# Altium PCB Sampler.PCBDOC (part 1 of 5) (continued)
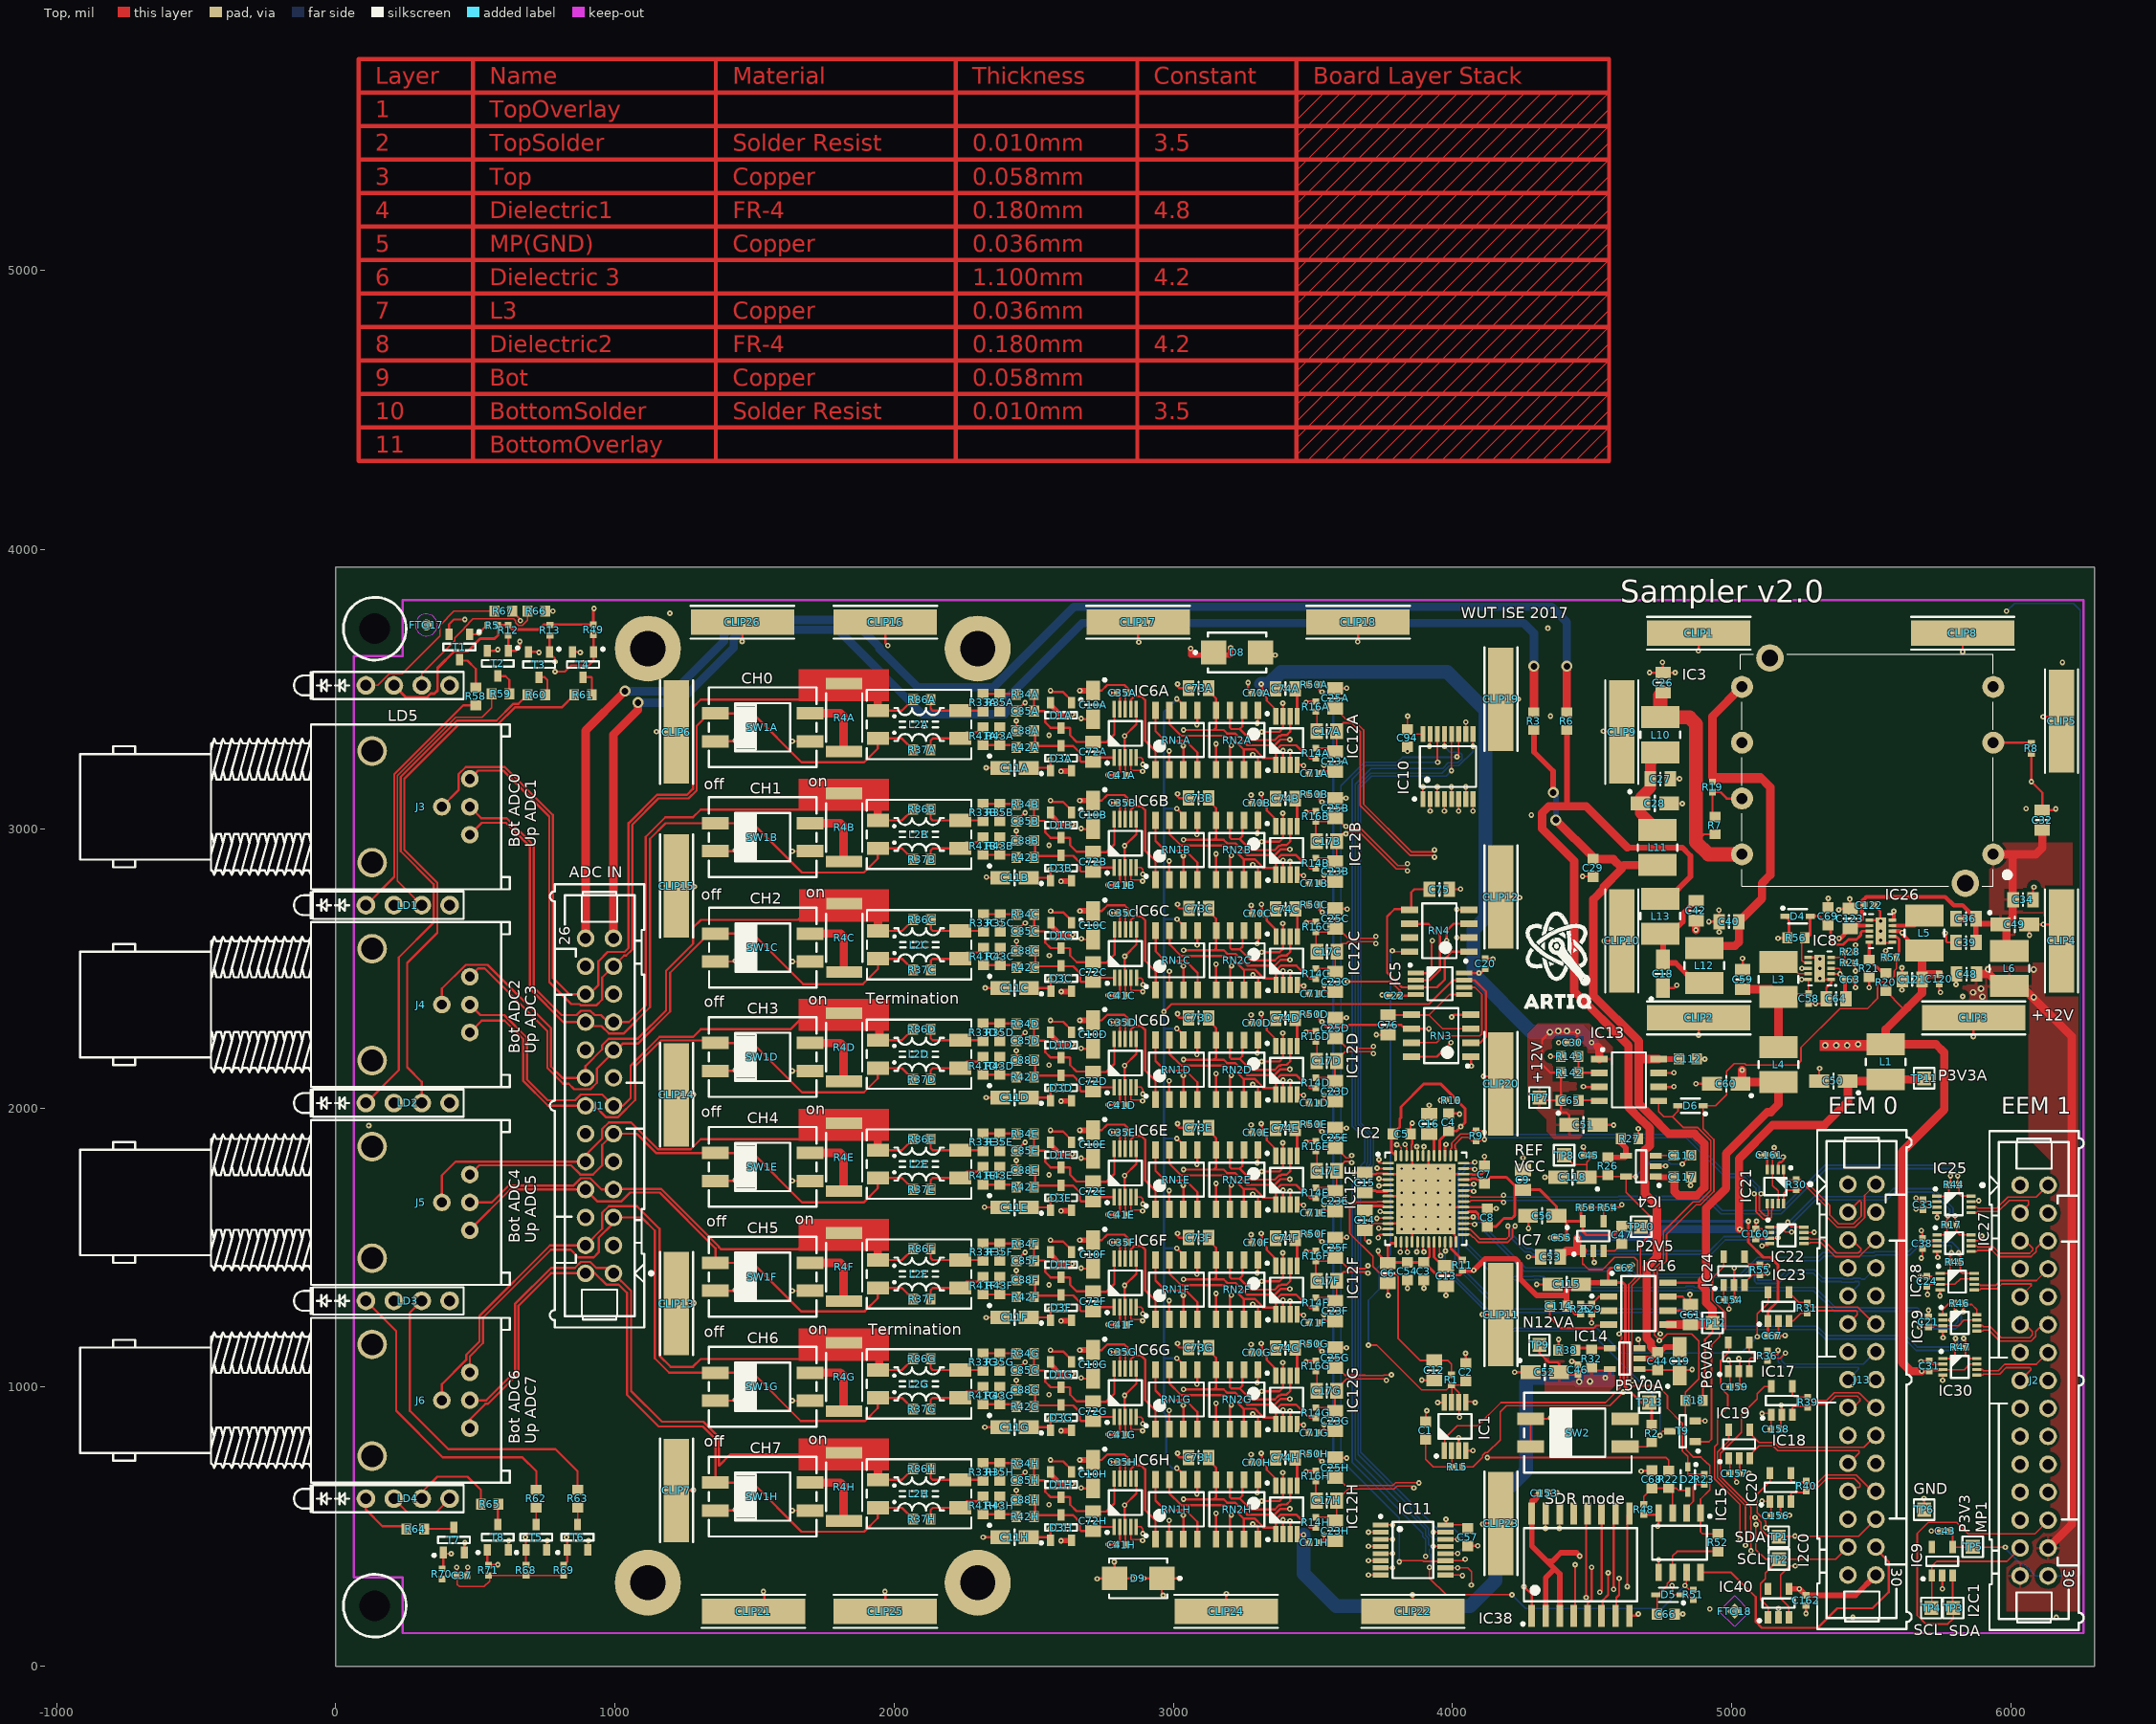
[diagram p0: Top view]
## Components (designator, comment, footprint, x,y, rotation, side; value= is the part's Value field where it differs from the comment) (continued)
C73D "47nF" CAPC2012X135N 3090.55,2322.83 r0 top (schematic designator C73)
C73E "47nF" CAPC2012X135N 3090.55,1929.13 r0 top (schematic designator C73)
C73F "47nF" CAPC2012X135N 3090.55,1535.43 r0 top (schematic designator C73)
C73G "47nF" CAPC2012X135N 3090.55,1141.73 r0 top (schematic designator C73)
C73H "47nF" CAPC2012X135N 3090.55,748.03 r0 top (schematic designator C73)
C74A "47nF" CAPC2012X135N 3401.57,3501.97 r0 top (schematic designator C74)
C74B "47nF" CAPC2012X135N 3401.57,3108.27 r0 top (schematic designator C74)
C74C "47nF" CAPC2012X135N 3402.07,2712.84 r0 top (schematic designator C74)
C74D "47nF" CAPC2012X135N 3401.57,2320.87 r0 top (schematic designator C74)
C74E "47nF" CAPC2012X135N 3401.57,1927.17 r0 top (schematic designator C74)
C74F "47nF" CAPC2012X135N 3401.57,1533.46 r0 top (schematic designator C74)
C74G "47nF" CAPC2012X135N 3401.57,1139.76 r0 top (schematic designator C74)
C74H "47nF" CAPC2012X135N 3401.57,746.06 r0 top (schematic designator C74)
C75 "47nF" CAPC2012X135N 3952.76,2783.46 r180 top
C76 "47nF" CAPC2012X135N 3769.69,2297.24 r90 top
C85A "18pF" CAPC1608X87N 2469.21,3421.97 r0 top (schematic designator C85)
C85B "18pF" CAPC1608X87N 2469.21,3028.27 r0 top (schematic designator C85)
C85C "18pF" CAPC1608X87N 2469.71,2632.84 r0 top (schematic designator C85)
C85D "18pF" CAPC1608X87N 2469.21,2240.87 r0 top (schematic designator C85)
C85E "18pF" CAPC1608X87N 2469.21,1847.17 r0 top (schematic designator C85)
C85F "18pF" CAPC1608X87N 2469.21,1453.46 r0 top (schematic designator C85)
C85G "18pF" CAPC1608X87N 2469.21,1059.76 r0 top (schematic designator C85)
C85H "18pF" CAPC1608X87N 2469.21,666.06 r0 top (schematic designator C85)
C88A "18pF" CAPC1608X87N 2469.21,3351.97 r0 top (schematic designator C88)
C88B "18pF" CAPC1608X87N 2469.21,2958.27 r0 top (schematic designator C88)
C88C "18pF" CAPC1608X87N 2469.71,2562.84 r0 top (schematic designator C88)
C88D "18pF" CAPC1608X87N 2469.21,2170.87 r0 top (schematic designator C88)
C88E "18pF" CAPC1608X87N 2469.21,1777.17 r0 top (schematic designator C88)
C88F "18pF" CAPC1608X87N 2469.21,1383.46 r0 top (schematic designator C88)
C88G "18pF" CAPC1608X87N 2469.21,989.76 r0 top (schematic designator C88)
C88H "18pF" CAPC1608X87N 2469.21,596.06 r0 top (schematic designator C88)
C94 "100nF" CAPC1608X87N 3839.08,3325.05 r90 top
C112 "1uF" CAPC1608X87N 4842.52,2175.2 r180 top
C114 "10nF" CAPC1608X87N 4379.92,1289.37 r0 top
C115 "10uF" CAPMP3216X180N 4409.45,1368.11 r180 top
C116 "10nF" CAPC1608X87N 4822.83,1830.71 r0 top
C117 "1uF" CAPC1608X87N 4822.83,1751.97 r180 top
C118 "10uF" CAPMP3216X180N 4429.13,1751.97 r180 top
C120 "100nF" CAPC1005X55N 5742.94,2461.57 r90 top
C121 "22uF" CAPC2012X135N 5645.94,2460.57 r0 top
C122 "100nF" CAPC1005X55N 5492.13,2726.38 r180 top
C123 "22uF" CAPC2012X135N 5423.94,2678.57 r270 top
C153 "100nF" CAPC1005X55N 4327.76,620.08 r180 top
C154 "100nF" CAPC1005X55N 4992,1313 r180 top
C156 "100nF" CAPC1005X55N 5158,539 r180 top
C157 "100nF" CAPC1005X55N 5011,691 r180 top
C158 "100nF" CAPC1005X55N 5158,849 r180 top
C159 "100nF" CAPC1005X55N 5011,1001 r180 top
C160 "100nF" CAPC1005X55N 5086,1549 r270 top
C161 "100nF" CAPC1005X55N 5136,1831 r0 top
C162 "100nF" CAPC1005X55N 5265.75,236.22 r90 top
CLIP1 "S1411-46R" CLIP_HOLLAND-SHIELDING_LC 4881.89,3700.79 r180 top
CLIP2 "S1411-46R" CLIP_HOLLAND-SHIELDING_LC 4881.89,2322.83 r180 top
CLIP3 "S1411-46R" CLIP_HOLLAND-SHIELDING_LC 5866.14,2322.83 r180 top
CLIP4 "S1411-46R" CLIP_HOLLAND-SHIELDING_LC 6181.1,2598.43 r90 top
CLIP5 "S1411-46R" CLIP_HOLLAND-SHIELDING_LC 6181.1,3385.83 r90 top
CLIP6 "S1411-46R" CLIP_HOLLAND-SHIELDING_LC 1220.47,3346.46 r90 top
CLIP7 "S1411-46R" CLIP_HOLLAND-SHIELDING_LC 1220.47,629.92 r90 top
CLIP8 "S1411-46R" CLIP_HOLLAND-SHIELDING_LC 5826.77,3700.79 r180 top
CLIP9 "S1411-46R" CLIP_HOLLAND-SHIELDING_LC 4606.3,3346.46 r90 top
CLIP10 "S1411-46R" CLIP_HOLLAND-SHIELDING_LC 4606.3,2598.43 r90 top
CLIP11 "S1411-46R" CLIP_HOLLAND-SHIELDING_LC 4173.23,1259.84 r90 top
CLIP12 "S1411-46R" CLIP_HOLLAND-SHIELDING_LC 4173.23,2755.91 r90 top
CLIP13 "S1411-46R" CLIP_HOLLAND-SHIELDING_LC 1220.47,1299.21 r90 top
CLIP14 "S1411-46R" CLIP_HOLLAND-SHIELDING_LC 1220.47,2047.24 r90 top
CLIP15 "S1411-46R" CLIP_HOLLAND-SHIELDING_LC 1220.47,2795.28 r90 top
CLIP16 "S1411-46R" CLIP_HOLLAND-SHIELDING_LC 1968.5,3740.16 r180 top
CLIP17 "S1411-46R" CLIP_HOLLAND-SHIELDING_LC 2874.02,3740.16 r180 top
CLIP18 "S1411-46R" CLIP_HOLLAND-SHIELDING_LC 3661.42,3740.16 r180 top
CLIP19 "S1411-46R" CLIP_HOLLAND-SHIELDING_LC 4173.23,3464.57 r90 top
CLIP20 "S1411-46R" CLIP_HOLLAND-SHIELDING_LC 4173.23,2086.61 r90 top
CLIP21 "S1411-46R" CLIP_HOLLAND-SHIELDING_LC 1496.06,196.85 r180 top
CLIP22 "S1411-46R" CLIP_HOLLAND-SHIELDING_LC 3858.27,196.85 r180 top
CLIP23 "S1411-46R" CLIP_HOLLAND-SHIELDING_LC 4173.23,511.81 r90 top
CLIP24 "S1411-46R" CLIP_HOLLAND-SHIELDING_LC 3188.98,196.85 r180 top
CLIP25 "S1411-46R" CLIP_HOLLAND-SHIELDING_LC 1968.5,196.85 r180 top
CLIP26 "S1411-46R" CLIP_HOLLAND-SHIELDING_LC 1456.69,3740.16 r180 top
D1A "BAV199" SOT95P240X110-3N 2598,3407 r270 top (schematic designator D1)
D1B "BAV199" SOT95P240X110-3N 2598,3013.3 r270 top (schematic designator D1)
D1C "BAV199" SOT95P240X110-3N 2598.49,2617.87 r270 top (schematic designator D1)
D1D "BAV199" SOT95P240X110-3N 2598,2225.9 r270 top (schematic designator D1)
D1E "BAV199" SOT95P240X110-3N 2598,1832.2 r270 top (schematic designator D1)
D1F "BAV199" SOT95P240X110-3N 2598,1438.5 r270 top (schematic designator D1)
D1G "BAV199" SOT95P240X110-3N 2598,1044.8 r270 top (schematic designator D1)
D1H "BAV199" SOT95P240X110-3N 2598,651.1 r270 top (schematic designator D1)
D2 "1N4148WS" SODFL2512X100N 4842.52,669.29 r270 top
D3A "BAV199" SOT95P240X110-3N 2598,3253 r90 top (schematic designator D3)
D3B "BAV199" SOT95P240X110-3N 2598,2859.3 r90 top (schematic designator D3)
D3C "BAV199" SOT95P240X110-3N 2598.49,2463.87 r90 top (schematic designator D3)
D3D "BAV199" SOT95P240X110-3N 2598,2071.9 r90 top (schematic designator D3)
D3E "BAV199" SOT95P240X110-3N 2598,1678.19 r90 top (schematic designator D3)
D3F "BAV199" SOT95P240X110-3N 2598,1284.5 r90 top (schematic designator D3)
D3G "BAV199" SOT95P240X110-3N 2598,890.79 r90 top (schematic designator D3)
D3H "BAV199" SOT95P240X110-3N 2598,497.09 r90 top (schematic designator D3)
D4 "1N4148WS" SODFL2512X100N 5236.22,2687.01 r0 top
D5 "1N4148WS" SODFL2512X100N 4773.62,255.91 r180 top
D6 "1N4148WS" SODFL2512X100N 4852.36,2007.87 r180 top
D8 "SMBJ12A" DIOM5336X265N 3228.35,3631.89 r0 top
D9 "SMBJ12A" DIOM5336X265N 2874.02,314.96 r180 top
FTG17 "Use only in PCB" FIDUCIAL_TOP_C100-200 324.8,3730.32 r90 top
FTG18 "Use only in PCB" FIDUCIAL_TOP_S100-200 5009.84,196.85 r90 top
FTG19 "Use only in PCB" FIDUCIAL_TOP_S200-400 374.02,3690.94 r180 bottom
FTG20 "Use only in PCB" FIDUCIAL_TOP_S100-200 5777.56,580.71 r90 bottom
IC1 "LTC6655BHMS8-5#PBF" SOP65P490X110-8N 4008.86,859.25 r90 top
IC2 "LTC2320HUKG-16#PBF" QFN50P700X800X80_HS-53M 3904.33,1674.62 r0 top
IC3 "CC6-1212DF-E" CC6-1212DF-E 5836.61,2805.12 r180 top
IC4 "LT1761ES5-BYP#TRMPBF" SOT95P280X100-5N 4675.2,1791.34 r180 top
IC5 "OPA2197IDGKR" SOP65P490X110-8N 3954.72,2444.88 r0 top
IC6A "AD8253ARMZ" SOP50P490X110-10N 2828,3342 r90 top (schematic designator IC6)
IC6B "AD8253ARMZ" SOP50P490X110-10N 2828,2948.3 r90 top (schematic designator IC6)
IC6C "AD8253ARMZ" SOP50P490X110-10N 2828.49,2552.87 r90 top (schematic designator IC6)
IC6D "AD8253ARMZ" SOP50P490X110-10N 2828,2160.9 r90 top (schematic designator IC6)
IC6E "AD8253ARMZ" SOP50P490X110-10N 2828,1767.2 r90 top (schematic designator IC6)
IC6F "AD8253ARMZ" SOP50P490X110-10N 2828,1373.5 r90 top (schematic designator IC6)
IC6G "AD8253ARMZ" SOP50P490X110-10N 2828,979.8 r90 top (schematic designator IC6)
IC6H "AD8253ARMZ" SOP50P490X110-10N 2828,586.1 r90 top (schematic designator IC6)
IC7 "LT1761ES5-BYP#TRMPBF" SOT95P280X100-5N 4503.96,1541.31 r90 top
IC8 "TPS62175DQC" SON50P200X300X80-11N-R94X250 5314.96,2500 r180 top
IC9 "24AA02E48T-I/OT" SOT95P280X145-5N 5753.94,375.98 r90 top
IC10 "SN74LV595APWT" SOP65P640X120-16N 3983.64,3223.12 r90 top
IC11 "SN74LV595APWT" SOP65P640X120-16N 3858.46,416.6 r0 top
IC12A "OPA2197IDGKR" SOP65P490X110-8N 3405.51,3316.09 r90 top (schematic designator IC12)
IC12B "OPA2197IDGKR" SOP65P490X110-8N 3405.51,2922.39 r90 top (schematic designator IC12)
IC12C "OPA2197IDGKR" SOP65P490X110-8N 3406.01,2526.96 r90 top (schematic designator IC12)
IC12D "OPA2197IDGKR" SOP65P490X110-8N 3405.51,2134.98 r90 top (schematic designator IC12)
IC12E "OPA2197IDGKR" SOP65P490X110-8N 3405.51,1741.28 r90 top (schematic designator IC12)
IC12F "OPA2197IDGKR" SOP65P490X110-8N 3405.51,1347.58 r90 top (schematic designator IC12)
IC12G "OPA2197IDGKR" SOP65P490X110-8N 3405.51,953.88 r90 top (schematic designator IC12)
IC12H "OPA2197IDGKR" SOP65P490X110-8N 3405.51,560.18 r90 top (schematic designator IC12)
IC13 "LT1763CS8#PBF" SOIC127P600X175-8N 4631.85,2100.37 r0 top
IC14 "LT1964ES5-SD#TRMPBF" SOT95P280X100-5N 4616.14,1102.36 r180 top
IC15 "LM393AD" SOIC127P600X175-8N 4812.99,442.91 r270 top
IC16 "LT1763CS8#PBF" SOIC127P600X175-8N 4665.35,1299.21 r0 top
IC17 "SN65LVDS2DBVR" SOT95P280X145-5N 5025.43,1108.71 r90 top
IC18 "SN65LVDS2DBVR" SOT95P280X145-5N 5179.43,951.75 r90 top
IC19 "SN65LVDS1DBVT" SOT95P280X145-5N 5026.43,795.78 r90 top
IC20 "SN65LVDS2DBVR" SOT95P280X145-5N 5174.43,641.35 r90 top
IC21 "FIN1101K8X" SOP50P310X90-8N 5156.25,1718.67 r270 top
IC22 "FIN1101K8X" SOP50P310X90-8N 5196.72,1543.79 r0 top
IC23 "SN65LVDS2DBVR" SOT95P280X145-5N 5167.43,1288.46 r90 top
IC24 "SN65LVDS2DBVR" SOT95P280X145-5N 5008.43,1416.38 r90 top
IC25 "FIN1101K8X" SOP50P310X90-8N 5795.89,1654.68 r0 top
IC26 "TPS62175DQC" SON50P200X300X80-11N-R94X250 5533.53,2633.65 r0 top
IC27 "FIN1101K8X" SOP50P310X90-8N 5796.06,1515.75 r0 top
IC28 "FIN1101K8X" SOP50P310X90-8N 5807.09,1377.95 r0 top
IC29 "FIN1101K8X" SOP50P310X90-8N 5816.93,1230.31 r0 top
IC30 "FIN1101K8X" SOP50P310X90-8N 5816.93,1072.83 r0 top
IC38 "PCF8574ADW" SOIC127P1030X265-16N 4458.66,364.17 r90 top
IC40 "24AA02E48T-I/OT" SOT95P280X145-5N 5167.32,226.38 r90 top
J1 "Header 26" 3M_N2526-6002RB 944.88,2007.87 r90 top
J2 "Familly" 3M_N2530-6002RB 6082.68,1023.62 r270 top locked
J3 "BNC" RENHOTEC_RHT-610-0049 236.22,3078.98 r180 top
J4 "BNC" RENHOTEC_RHT-610-0049 236.22,2370.32 r180 top
J5 "BNC" RENHOTEC_RHT-610-0049 236.22,1661.66 r180 top
J6 "BNC" RENHOTEC_RHT-610-0049 236.22,953 r180 top
J13 "Familly" 3M_N2530-6002RB 5466,1027 r270 top
L1 "10uH" IND_MURATA-PS_8400 5551.18,2165.35 r270 top
L2A "2x6.5mH" IND_WURTH_WE-SL2 2089.21,3373.77 r0 top (schematic designator L2)
L2B "2x6.5mH" IND_WURTH_WE-SL2 2089.21,2980.07 r0 top (schematic designator L2)
L2C "2x6.5mH" IND_WURTH_WE-SL2 2089.71,2584.65 r0 top (schematic designator L2)
L2D "2x6.5mH" IND_WURTH_WE-SL2 2089.21,2192.67 r0 top (schematic designator L2)
L2E "2x6.5mH" IND_WURTH_WE-SL2 2089.21,1798.97 r0 top (schematic designator L2)
L2F "2x6.5mH" IND_WURTH_WE-SL2 2089.21,1405.27 r0 top (schematic designator L2)
L2G "2x6.5mH" IND_WURTH_WE-SL2 2089.21,1011.57 r0 top (schematic designator L2)
L2H "2x6.5mH" IND_WURTH_WE-SL2 2089.21,617.87 r0 top (schematic designator L2)
L3 "10uH" IND_MURATA-PS_8400 5167.32,2460.63 r270 top
L4 "10uH" IND_MURATA-PS_8400 5167.32,2155.51 r270 top
L5 "10uH" IND_MURATA-PS_8400 5689.94,2626.57 r270 top
L6 "10uH" IND_MURATA-PS_8400 5994.09,2500 r90 top
L10 "10uH" IND_MURATA-PS_8400 4744.09,3336.61 r270 top
L11 "10uH" IND_MURATA-PS_8400 4734.25,2933.07 r270 top
L12 "10uH" IND_MURATA-PS_8400 4901.57,2509.84 r270 top
L13 "10uH" IND_MURATA-PS_8400 4744.09,2687.01 r90 top
LD1 "Green/Green" LED_DIALIGHT_571-0122F 108.27,2726.38 r0 top
LD2 "Green/Green" LED_DIALIGHT_571-0122F 108.27,2017.72 r0 top
LD3 "Green/Green" LED_DIALIGHT_571-0122F 108.27,1309.06 r0 top
LD4 "Green/Green" LED_DIALIGHT_571-0122F 108.27,600.39 r0 top
LD5 "Green/Green" LED_DIALIGHT_571-0122F 108.27,3513.78 r0 top
R1 "0" RESC1005X40N 3996.24,1025.91 r90 top
R2 "1k" RESC1608X55N 4713.2,834.01 r270 top
R3 "Undefined" RESC1608X55N 4291.34,3385.83 r270 top
R4A "49R9" RESC6331X70N 1820.87,3398.62 r90 top (schematic designator R4)
R4B "49R9" RESC6331X70N 1820.87,3004.92 r90 top (schematic designator R4)
R4C "49R9" RESC6331X70N 1821.36,2609.5 r90 top (schematic designator R4)
R4D "49R9" RESC6331X70N 1820.87,2217.52 r90 top (schematic designator R4)
R4E "49R9" RESC6331X70N 1820.87,1823.82 r90 top (schematic designator R4)
R4F "49R9" RESC6331X70N 1820.87,1430.12 r90 top (schematic designator R4)
R4G "49R9" RESC6331X70N 1820.87,1036.42 r90 top (schematic designator R4)
R4H "49R9" RESC6331X70N 1820.87,642.72 r90 top (schematic designator R4)
R5 "10k" RESC1005X40N 562.01,3729.33 r180 top
R6 "Undefined" RESC1608X55N 4409.45,3385.83 r270 top
R7 "Undefined" RESC1608X55N 4940.94,3011.81 r270 top
R8 "0" RESC1005X40N 6072.83,3287.4 r90 top
R9 "100" RESC1005X40N 4084.65,1899.61 r270 top
R10 "0" RESC1005X40N 3996.06,2027.56 r0 top
R11 "0" RESC1005X40N 4035.43,1437.01 r270 top
R12 "10k" RESC1005X40N 618.11,3711.61 r270 top
R13 "10k" RESC1005X40N 767.72,3711.61 r270 top
R14A "51" RESC1005X40N 3510.2,3270.72 r90 top (schematic designator R14)
R14B "51" RESC1005X40N 3510.2,2877.02 r90 top (schematic designator R14)
R14C "51" RESC1005X40N 3510.7,2481.59 r90 top (schematic designator R14)
R14D "51" RESC1005X40N 3510.2,2089.61 r90 top (schematic designator R14)
R14E "51" RESC1005X40N 3510.2,1695.91 r90 top (schematic designator R14)
R14F "51" RESC1005X40N 3510.2,1302.21 r90 top (schematic designator R14)
R14G "51" RESC1005X40N 3510.2,908.51 r90 top (schematic designator R14)
R14H "51" RESC1005X40N 3510.2,514.81 r90 top (schematic designator R14)
R15 "0" RESC1005X40N 4017.24,713.91 r180 top
R16A "51" RESC1005X40N 3510.2,3438.04 r270 top (schematic designator R16)
R16B "51" RESC1005X40N 3510.2,3044.34 r270 top (schematic designator R16)
R16C "51" RESC1005X40N 3510.7,2648.91 r270 top (schematic designator R16)
R16D "51" RESC1005X40N 3510.2,2256.94 r270 top (schematic designator R16)
R16E "51" RESC1005X40N 3510.2,1863.24 r270 top (schematic designator R16)
R16F "51" RESC1005X40N 3510.2,1469.54 r270 top (schematic designator R16)
R16G "51" RESC1005X40N 3510.2,1075.83 r270 top (schematic designator R16)
R16H "51" RESC1005X40N 3510.2,682.13 r270 top (schematic designator R16)
R17 "100" RESC1005X40N 5786.69,1582.23 r0 top
R18 "2k7" RESC1608X55N 4865.16,952.76 r0 top
R19 "36" RESC1005X40N 4931.1,3149.61 r270 top
R20 "270k" RESC1608X55N 5551.18,2450.79 r270 top
R21 "82k" RESC1608X55N 5492.13,2500 r90 top
R22 "24k" RESC1608X55N 4773.62,669.29 r270 top
R23 "2k4" RESC1005X40N 4901.57,669.29 r90 top
R24 "33k" RESC1005X40N 5423.23,2519.69 r0 top
R25 "62k" RESC1005X40N 4458.66,1279.53 r270 top
R26 "24k" RESC1608X55N 4557.09,1791.34 r270 top
R27 "2k7" RESC1608X55N 4633.86,1889.76 r180 top
R28 "5k1" RESC1005X40N 5423.23,2559.06 r180 top
R29 "120k" RESC1005X40N 4498.03,1279.53 r90 top
R30 "100" RESC1005X40N 5231.07,1724.55 r270 top
R31 "100" RESC1005X40N 5269.78,1282.58 r270 top
R32 "24k" RESC1608X55N 4498.03,1102.36 r270 top
R33A "0" RESC1608X55N 2319.21,3451.97 r90 top (schematic designator R33)
R33B "0" RESC1608X55N 2319.21,3058.27 r90 top (schematic designator R33)
R33C "0" RESC1608X55N 2319.71,2662.84 r90 top (schematic designator R33)
R33D "0" RESC1608X55N 2319.21,2270.87 r90 top (schematic designator R33)
R33E "0" RESC1608X55N 2319.21,1877.17 r90 top (schematic designator R33)
R33F "0" RESC1608X55N 2319.21,1483.46 r90 top (schematic designator R33)
R33G "0" RESC1608X55N 2319.21,1089.76 r90 top (schematic designator R33)
R33H "0" RESC1608X55N 2319.21,696.06 r90 top (schematic designator R33)
R34A "1k8" RESC1608X55N 2469.21,3481.97 r0 top (schematic designator R34)
R34B "1k8" RESC1608X55N 2469.21,3088.27 r0 top (schematic designator R34)
R34C "1k8" RESC1608X55N 2469.71,2692.84 r0 top (schematic designator R34)
R34D "1k8" RESC1608X55N 2469.21,2300.87 r0 top (schematic designator R34)
R34E "1k8" RESC1608X55N 2469.21,1907.17 r0 top (schematic designator R34)
R34F "1k8" RESC1608X55N 2469.21,1513.46 r0 top (schematic designator R34)
R34G "1k8" RESC1608X55N 2469.21,1119.76 r0 top (schematic designator R34)
R34H "1k8" RESC1608X55N 2469.21,726.06 r0 top (schematic designator R34)
R35A "100k" RESC1608X55N 2379.21,3451.97 r90 top (schematic designator R35)
R35B "100k" RESC1608X55N 2379.21,3058.27 r90 top (schematic designator R35)
R35C "100k" RESC1608X55N 2379.71,2662.84 r90 top (schematic designator R35)
R35D "100k" RESC1608X55N 2379.21,2270.87 r90 top (schematic designator R35)
R35E "100k" RESC1608X55N 2379.21,1877.16 r90 top (schematic designator R35)
R35F "100k" RESC1608X55N 2379.21,1483.46 r90 top (schematic designator R35)
R35G "100k" RESC1608X55N 2379.21,1089.76 r90 top (schematic designator R35)
R35H "100k" RESC1608X55N 2379.21,696.06 r90 top (schematic designator R35)
R36 "100" RESC1005X40N 5127.78,1112.68 r270 top
R37A "Undefined" RESC1608X55N 2099.21,3283.77 r0 top (schematic designator R37)
R37B "Undefined" RESC1608X55N 2099.21,2890.07 r0 top (schematic designator R37)
R37C "Undefined" RESC1608X55N 2099.71,2494.65 r0 top (schematic designator R37)
R37D "Undefined" RESC1608X55N 2099.21,2102.67 r0 top (schematic designator R37)
R37E "Undefined" RESC1608X55N 2099.21,1708.97 r0 top (schematic designator R37)
R37F "Undefined" RESC1608X55N 2099.21,1315.27 r0 top (schematic designator R37)
R37G "Undefined" RESC1608X55N 2099.21,921.57 r0 top (schematic designator R37)
R37H "Undefined" RESC1608X55N 2099.21,527.87 r0 top (schematic designator R37)
R38 "2k7" RESC1608X55N 4409.45,1131.89 r0 top
R39 "100" RESC1005X40N 5271.94,945.87 r270 top
R40 "100" RESC1005X40N 5266.94,645.31 r270 top
R41A "0" RESC1608X55N 2319.21,3331.97 r270 top (schematic designator R41)
R41B "0" RESC1608X55N 2319.21,2938.27 r270 top (schematic designator R41)
R41C "0" RESC1608X55N 2319.71,2542.84 r270 top (schematic designator R41)
R41D "0" RESC1608X55N 2319.21,2150.87 r270 top (schematic designator R41)
R41E "0" RESC1608X55N 2319.21,1757.16 r270 top (schematic designator R41)
R41F "0" RESC1608X55N 2319.21,1363.46 r270 top (schematic designator R41)
R41G "0" RESC1608X55N 2319.21,969.76 r270 top (schematic designator R41)
R41H "0" RESC1608X55N 2319.21,576.06 r270 top (schematic designator R41)
R42A "1k8" RESC1608X55N 2469.21,3291.97 r0 top (schematic designator R42)
R42B "1k8" RESC1608X55N 2469.21,2898.27 r0 top (schematic designator R42)
R42C "1k8" RESC1608X55N 2469.71,2502.84 r0 top (schematic designator R42)
R42D "1k8" RESC1608X55N 2469.21,2110.87 r0 top (schematic designator R42)
R42E "1k8" RESC1608X55N 2469.21,1717.17 r0 top (schematic designator R42)
R42F "1k8" RESC1608X55N 2469.21,1323.46 r0 top (schematic designator R42)
R42G "1k8" RESC1608X55N 2469.21,929.76 r0 top (schematic designator R42)
R42H "1k8" RESC1608X55N 2469.21,536.06 r0 top (schematic designator R42)
R43A "100k" RESC1608X55N 2379.21,3331.97 r270 top (schematic designator R43)
R43B "100k" RESC1608X55N 2379.21,2938.27 r270 top (schematic designator R43)
R43C "100k" RESC1608X55N 2379.71,2542.84 r270 top (schematic designator R43)
R43D "100k" RESC1608X55N 2379.21,2150.87 r270 top (schematic designator R43)
R43E "100k" RESC1608X55N 2379.21,1757.16 r270 top (schematic designator R43)
R43F "100k" RESC1608X55N 2379.21,1363.46 r270 top (schematic designator R43)
R43G "100k" RESC1608X55N 2379.21,969.76 r270 top (schematic designator R43)
R43H "100k" RESC1608X55N 2379.21,576.06 r270 top (schematic designator R43)
R44 "100" RESC1005X40N 5796.06,1725.14 r0 top
R45 "100" RESC1005X40N 5799.71,1448.24 r0 top
R46 "100" RESC1005X40N 5815.56,1300.17 r0 top
R47 "100" RESC1005X40N 5818.56,1143.1 r0 top
R48 "51k" RESC1005X40N 4685.04,561.02 r90 top
R49 "10k" RESC1005X40N 923.23,3713.58 r270 top
R50A "2k4" RESC1005X40N 3503.94,3516.73 r180 top (schematic designator R50)
R50B "2k4" RESC1005X40N 3503.94,3123.03 r180 top (schematic designator R50)
R50C "2k4" RESC1005X40N 3504.43,2727.61 r180 top (schematic designator R50)
R50D "2k4" RESC1005X40N 3503.94,2335.63 r180 top (schematic designator R50)
R50E "2k4" RESC1005X40N 3503.94,1941.93 r180 top (schematic designator R50)
R50F "2k4" RESC1005X40N 3503.94,1548.23 r180 top (schematic designator R50)
R50G "2k4" RESC1005X40N 3503.94,1154.53 r180 top (schematic designator R50)
R50H "2k4" RESC1005X40N 3503.94,760.83 r180 top (schematic designator R50)
R51 "5k1" RESC1005X40N 4862.2,255.91 r90 top
R52 "24k" RESC1608X55N 4950.79,442.91 r90 top
R53 "51k" RESC1005X40N 4478.35,1643.7 r180 top
R54 "47k" RESC1005X40N 4557.09,1643.7 r180 top
R55 "100" RESC1005X40N 5100.94,1420.34 r270 top
R56 "24k" RESC1608X55N 5230.32,2609.25 r180 top
R57 "5k1" RESC1005X40N 5570.87,2539.37 r180 top
R58 "220" RESC1608X55N 501.97,3474.41 r90 top
R59 "220" RESC1608X55N 590.55,3484.25 r0 top
R60 "220" RESC1608X55N 718.5,3480.32 r0 top
R61 "220" RESC1608X55N 885.83,3480.32 r0 top
R62 "220" RESC1608X55N 718.5,600.39 r270 top
R63 "220" RESC1608X55N 866.14,600.39 r270 top
R64 "220" RESC1608X55N 285.43,492.13 r0 top
R65 "220" RESC1608X55N 551.18,580.71 r0 top
R66 "220" RESC1608X55N 718.5,3779.53 r0 top
R67 "220" RESC1608X55N 600.39,3779.53 r0 top
R68 "10k" RESC1005X40N 682.09,344.49 r90 top
R69 "10k" RESC1005X40N 816.93,343.5 r90 top
R70 "10k" RESC1005X40N 380.91,330.71 r90 top
R71 "10k" RESC1005X40N 547.24,343.5 r90 top
R86A "Undefined" RESC1608X55N 2099.21,3463.77 r0 top (schematic designator R86)
R86B "Undefined" RESC1608X55N 2099.21,3070.07 r0 top (schematic designator R86)
R86C "Undefined" RESC1608X55N 2099.71,2674.65 r0 top (schematic designator R86)
R86D "Undefined" RESC1608X55N 2099.21,2282.67 r0 top (schematic designator R86)
R86E "Undefined" RESC1608X55N 2099.21,1888.97 r0 top (schematic designator R86)
R86F "Undefined" RESC1608X55N 2099.21,1495.27 r0 top (schematic designator R86)
R86G "Undefined" RESC1608X55N 2099.21,1101.57 r0 top (schematic designator R86)
R86H "Undefined" RESC1608X55N 2099.21,707.87 r0 top (schematic designator R86)
R142 "24k" RESC1608X55N 4419.29,2125.98 r180 top
R143 "2k7" RESC1608X55N 4419.29,2185.04 r0 top
RN1A "10k 5K 5K 10K" SOIC127P600X175-8N 3011,3318 r90 top (schematic designator RN1)
RN1B "10k 5K 5K 10K" SOIC127P600X175-8N 3011,2924.3 r90 top (schematic designator RN1)
RN1C "10k 5K 5K 10K" SOIC127P600X175-8N 3011.49,2528.87 r90 top (schematic designator RN1)
RN1D "10k 5K 5K 10K" SOIC127P600X175-8N 3011,2136.9 r90 top (schematic designator RN1)
RN1E "10k 5K 5K 10K" SOIC127P600X175-8N 3011,1743.2 r90 top (schematic designator RN1)
RN1F "10k 5K 5K 10K" SOIC127P600X175-8N 3011,1349.5 r90 top (schematic designator RN1)
RN1G "10k 5K 5K 10K" SOIC127P600X175-8N 3011,955.8 r90 top (schematic designator RN1)
RN1H "10k 5K 5K 10K" SOIC127P600X175-8N 3011,562.09 r90 top (schematic designator RN1)
RN2A "10k 5K 5K 10K" SOIC127P600X175-8N 3227.77,3317.93 r270 top (schematic designator RN2)
RN2B "10k 5K 5K 10K" SOIC127P600X175-8N 3227.77,2924.23 r270 top (schematic designator RN2)
RN2C "10k 5K 5K 10K" SOIC127P600X175-8N 3228.27,2528.8 r270 top (schematic designator RN2)
RN2D "10k 5K 5K 10K" SOIC127P600X175-8N 3227.77,2136.83 r270 top (schematic designator RN2)
RN2E "10k 5K 5K 10K" SOIC127P600X175-8N 3227.77,1743.13 r270 top (schematic designator RN2)
RN2F "10k 5K 5K 10K" SOIC127P600X175-8N 3227.77,1349.43 r270 top (schematic designator RN2)
RN2G "10k 5K 5K 10K" SOIC127P600X175-8N 3227.77,955.72 r270 top (schematic designator RN2)
RN2H "10k 5K 5K 10K" SOIC127P600X175-8N 3227.77,562.02 r270 top (schematic designator RN2)
RN3 "10k 5K 5K 10K" SOIC127P600X175-8N 3959.65,2258.86 r180 top
RN4 "10k 5K 5K 10K" SOIC127P600X175-8N 3952.76,2634.84 r180 top
SW1A "Switch" SW_CTS_204-121ST 1529.21,3363.77 r270 top (schematic designator SW1)
SW1B "Switch" SW_CTS_204-121ST 1529.21,2970.07 r270 top (schematic designator SW1)
SW1C "Switch" SW_CTS_204-121ST 1529.71,2574.65 r270 top (schematic designator SW1)
SW1D "Switch" SW_CTS_204-121ST 1529.21,2182.67 r270 top (schematic designator SW1)
SW1E "Switch" SW_CTS_204-121ST 1529.21,1788.97 r270 top (schematic designator SW1)
SW1F "Switch" SW_CTS_204-121ST 1529.21,1395.27 r270 top (schematic designator SW1)
SW1G "Switch" SW_CTS_204-121ST 1529.21,1001.57 r270 top (schematic designator SW1)
SW1H "Switch" SW_CTS_204-121ST 1529.21,607.86 r270 top (schematic designator SW1)
SW2 "Switch" SW_CTS_204-121ST 4448.82,836.61 r270 top
T1 "BSS138LT1G" SOT95P240X110-3N 442.91,3651.57 r270 top
T2 "BSS138LT1G" SOT95P240X110-3N 580.71,3592.52 r270 top
T3 "BSS138LT1G" SOT95P240X110-3N 728.35,3588.58 r270 top
T4 "BSS138LT1G" SOT95P240X110-3N 885.83,3588.58 r270 top
T5 "BSS138LT1G" SOT95P240X110-3N 718.5,462.6 r90 top
T6 "BSS138LT1G" SOT95P240X110-3N 866.14,462.6 r90 top
T7 "BSS138LT1G" SOT95P240X110-3N 423.23,452.76 r90 top
T8 "BSS138LT1G" SOT95P240X110-3N 580.71,462.6 r90 top
T9 "BSS138LT1G" SOT95P240X110-3N 4824.2,842.01 r180 top
TP1 "Test Point" TPS127 5168,464 r0 top
TP2 "Test Point" TPS127 5169,383 r0 top
TP3 "Test Point" TPS127 5793.31,208.66 r0 top
TP4 "Test Point" TPS127 5714.57,208.66 r0 top
TP5 "Test Point" TPS127 5863.19,428.15 r0 top
TP6 "Test Point" TPS127 5688.98,561.02 r0 top
TP7 "Test Point" TPS127 4311.02,2037.4 r0 top
TP8 "Test Point" TPS127 4399.61,1830.71 r0 top
TP9 "Test Point" TPS127 4311.02,1151.57 r0 top
TP10 "Test Point" TPS127 4675.2,1574.8 r90 top
TP11 "Test Point" TPS127 5688.98,2106.3 r90 top
TP12 "Test Point" TPS127 4931.1,1230.31 r90 top
TP13 "Test Point" TPS127 4704.72,944.88 r90 top

## Footprints (in the part's own frame and the unit in brackets; to place one, negate y for a bottom-side part, rotate by r counter-clockwise, add the part's x,y. Pads: shape width x height; smd on the part's side, far side on the other; paste and mask are expansions set on the pad)
3M_N2526-6002RB [mm] "26 Contacts - Straight .100\" x .100\" Low Profile Four-Wall Header"
  round 1.6 hole 1: 1(-15.24,-1.27) 2(-15.24,1.27) 3(-12.7,-1.27) 4(-12.7,1.27) 5(-10.16,-1.27) 6(-10.16,1.27) 7(-7.62,-1.27) 8(-7.62,1.27) 9(-5.08,-1.27) 10(-5.08,1.27) 11(-2.54,-1.27) 12(-2.54,1.27) 13(0,-1.27) 14(0,1.27) 15(2.54,-1.27) 16(2.54,1.27) 17(5.08,-1.27) 18(5.08,1.27) 19(7.62,-1.27) 20(7.62,1.27) 21(10.16,-1.27) 22(10.16,1.27) 23(12.7,-1.27) 24(12.7,1.27) 25(15.24,-1.27) 26(15.24,1.27)
  silkscreen extent -20.17,-4.85 20.17,4.52, body extent -20.17,-4.11 20.17,4.52, height 9.91
3M_N2530-6002RB [mm] "30 Contacts - Straight .100\" x .100\" Low Profile Four-Wall Header"
  round 1.6 hole 1: 1(-17.78,-1.27) 2(-17.78,1.27) 3(-15.24,-1.27) 4(-15.24,1.27) 5(-12.7,-1.27) 6(-12.7,1.27) 7(-10.16,-1.27) 8(-10.16,1.27) 9(-7.62,-1.27) 10(-7.62,1.27) 11(-5.08,-1.27) 12(-5.08,1.27) 13(-2.54,-1.27) 14(-2.54,1.27) 15(0,-1.27) 16(0,1.27) 17(2.54,-1.27) 18(2.54,1.27) 19(5.08,-1.27) 20(5.08,1.27) 21(7.62,-1.27) 22(7.62,1.27) 23(10.16,-1.27) 24(10.16,1.27) 25(12.7,-1.27) 26(12.7,1.27) 27(15.24,-1.27) 28(15.24,1.27) 29(17.78,-1.27) 30(17.78,1.27)
  silkscreen extent -22.71,-4.85 22.71,4.52, body extent -22.71,-4.11 22.71,4.52, height 9.91
CAPC1005X55N [mm] "Chip Capacitor, Body 1.0x0.55mm, IPC Medium Density"
  rect 0.62x0.62 smd: 1(-0.45,0) 2(0.45,0)
  body extent -0.52,-0.27 0.53,0.28, height 0.55
CAPC1608X87N [mm] "Chip Capacitor, Body 1.6x0.8mm IPC Medium Density"
  rect 0.95x1 smd: 1(-0.8,0) 2(0.8,0)
  body extent -0.87,-0.47 0.88,0.48, height 0.87
CAPC2012X90N [mm] "Chip Capacitor, Body 2.0x1.25mm, IPC Medium Density"
  rect 1.1x1.45 smd: 1(-0.9,0) 2(0.9,0)
  silkscreen extent 0,-0.58 0,0.58, body extent -1.05,-0.67 1.05,0.68, height 0.9
CAPC2012X95N [mm] "Chip Capacitor, Body 2.0x1.25mm, IPC Medium Density"
  rect 1.1x1.45 smd: 1(-0.9,0) 2(0.9,0)
  silkscreen extent 0,-0.58 0,0.58, body extent -1.05,-0.67 1.05,0.68, height 0.95
CAPC2012X135N [mm] "Chip Capacitor, Body 2.0x1.25mm, IPC Medium Density"
  rect 1.05x1.4 smd: 1(-0.9,0) 2(0.9,0)
  silkscreen extent 0,-0.58 0,0.58, body extent -1.05,-0.67 1.05,0.68, height 1.25
CAPC2013X100N [mm] "Capacitor, Non-Polarized, Chip; 2.00mm L X 1.25mm W X 0.9mm H, IPC Medium Density"
  rect 1.15x1.45 smd: 1(-0.9,0) 2(0.9,0)
  silkscreen extent 0,-0.63 0,0.63, body extent -1.1,-0.72 1.1,0.73, height 1
CAPMP3216X180N [mm] "Capacitor, Polarized, Molded  Body 3.2x1.6mm, IPC Medium Density"
  rect 1.8x1.25 smd: 1(-1.3,0) 2(1.3,0)
  silkscreen extent -2.4,-0.7 0,1.2, body extent -1.7,-0.9 1.7,0.9, height 1.6
CC6-1212DF-E [mm]
  round 2 hole 1: 1(-2.54,-2.63) 2(-2.54,-12.79) 3(-2.54,-17.87) 4(20.32,-17.87) 5(20.32,-12.79) 6(20.32,-7.71) 7(20.32,-2.63)
  round 2.5 hole 1.5: 8(0,0) 9(17.78,-20.5)
  silkscreen extent -4.06,-20.83 20.44,0.25, body extent -2.72,-20.81 20.44,0.29, height 8.4
CLIP_HOLLAND-SHIELDING_LC [mm] "Surface Mount Clip for PCB Screening Covers"
  rect 9.4x2.3 smd: 1(0,0)
  silkscreen extent -4.7,-1.5 4.7,1.5, body extent -4.4,-1.15 4.4,1.15, height 3.5
DIOM5336X265N [mm] "DO-214-AA/SMB Diode, Molded Body; 5.34mm L X 3.625mm W X 2.65mm H, IPC Medium Density"
  rect 2.3x2.15 smd: 1(-2.15,0) 2(2.15,0)
  silkscreen extent -3.92,-1.8 2.65,1.8, body extent -2.7,-1.95 2.7,1.95, height 2.4
FIDUCIAL_TOP_C100-200 [mm] "Round Fiducial Target, Top Layer, 1.0mm, Top Solder 2.0mm, Keepout =2.0mm"
  round 1 smd paste-0.51 mask+0.5: FTG2(0,0)
  Top keep-out circle w0.1: c0,0 r1
FIDUCIAL_TOP_S100-200 [mm] "Square Fiducial Target, Top Layer, 1.0mm, Top Solder 2.0mm, Keepout =2.0mm"
  rect 1x1 smd rot 45 paste-0.51 mask+0.5: 1(0,0)
  Top keep-out region: 1.414,0 0,-1.414 -1.414,0 0,1.414
FIDUCIAL_TOP_S200-400 [mm] "Square Fiducial Target, Top Layer, 2.0mm, Top Solder 4.0mm, Keepout =4.0mm"
  rect 2x2 smd rot 45 paste-0.9 mask+1: 1(0,0)
  Top keep-out region: -2.839,0.011 -0.011,2.839 2.818,0.011 -0.011,-2.818